# Altium PCB PLC1.PcbDoc (part 4 of 4)
Units mm, origin at the board's own origin, x right, y up, seen from the top; angles counter-clockwise.
Board outline 175 x 81 mm, 2 copper layers (Top Layer, Bottom Layer), stack 1.471 mm thick; 347 components, 299 nets, 1265 pads, 687 vias.
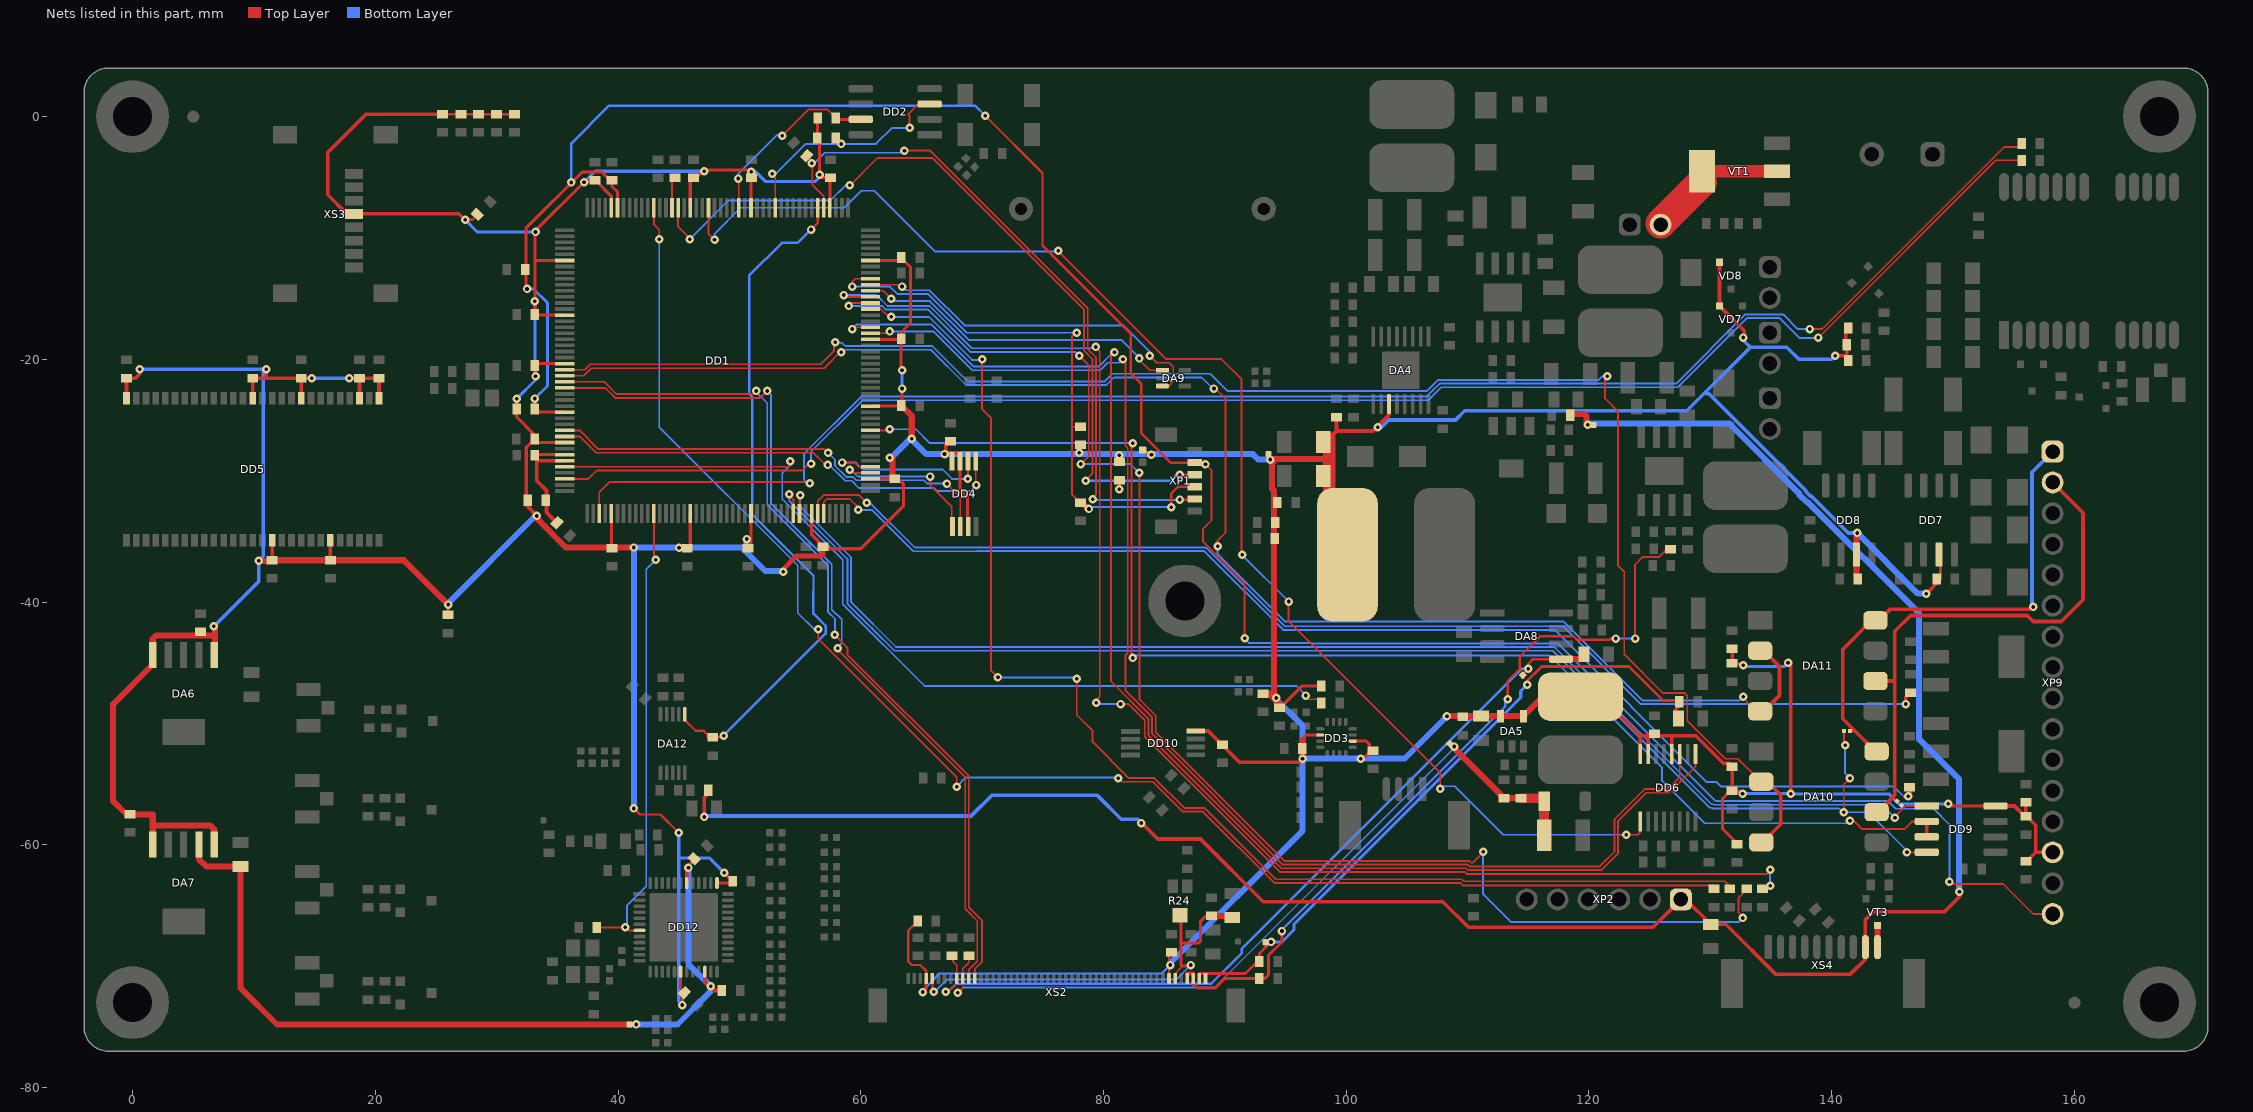
[diagram p4: the nets of this part, all layers, seen from the top]

## Via types
v1: diameter 0.7, hole 0.3, Top Layer to Bottom Layer, tented both sides, 670 vias
v2: diameter 1.2, hole 0.6, Top Layer to Bottom Layer, tented both sides, 16 vias
v3: diameter 0.7, hole 0.3, Top Layer to Bottom Layer, tented top, 1 vias

## Nets (pads, with @x,y where several pads share a name; then routed paths per layer and width w, separated by ;. In a path a pad name is that pad's centre, name@x,y a point inside that pad or via, vN(x,y) a via of type N, cw(c..) or ccw(c..) an arc to the next point about the centre after c; other vN are vias at no path point) (continued)
NetVT1_2: VT1.2 VT1.4 XP8.2 | length 12
  Top Layer w1: XP8.2@125.9,-8.9 XP8.2@125.9,-8.8 ; VT1.4@129.3,-5.4 VT1.4@129.3,-4.5 VT1.2@135.5,-4.5
  Top Layer w2.5: XP8.2@125.9,-8.8 VT1.4@129.3,-5.4
NetVT3_3: VT3.3 XS4.10 | length 1.8
  Top Layer w0.5: XS4.10@143.775,-68.425 VT3.3@143.775,-66.65
NRST: C82.1 C86.1 DD1.31 DD1.171 R40.1 XP1.5 XP9.16 | length 201.5
  Top Layer w0.15: v1(88.4,-28.65) 88.898,-29.148 88.898,-33.252 88.2,-33.95 88.2,-35.017 91.625,-38.442 v1(91.625,-42.975) ; v1(149.7,-63.05) 149.875,-63.225 154.125,-63.225 156.6,-65.7 XP9.16@158.2,-65.7
  Top Layer w0.2: v1(70.25,0.075) 74.975,-4.65 74.975,-10.625 82.25,-17.9 82.25,-21.15 83.1,-22 83.1,-26.075 85.525,-28.5 XP1.5@87.5,-28.5
  Top Layer w0.254: v1@32.25,-14.2 v1(32.5,-14.2) ; v1@32.4,-14.1 32.4,-9.2 37.025,-4.575 38.675,-4.575 39.35,-5.25 C86.1@39.5,-5.25 39.5,-5.75 39.95,-6.2 DD1.171@39.95,-7.5 ; R40.1@33.15,-24.1 v1(33.15,-23.225) v1@33.15,-23.15 ; R40.1@33.2,-24.35 DD1.31@35.6,-24.35
  Bottom Layer w0.15: v1(91.625,-42.975) 92.025,-43.375 97.127,-43.375 97.15,-43.398 117.426,-43.398 119.363,-45.334 123.925,-49.897 123.925,-49.9 130.4,-56.375 132.225,-56.375 132.227,-56.377 144.045,-56.377 144.056,-56.367 144.244,-56.367 144.255,-56.377 144.627,-56.377 145.275,-57.025 148.4,-57.025 149.7,-58.325 v1(149.7,-63.05)
  Bottom Layer w0.2: v1(36.15,-5.425) 36.15,-2.2 39.257,0.907 53.289,0.907 53.291,0.91 56.311,0.91 56.314,0.907 69.418,0.907 v1(70.25,0.075)
  Bottom Layer w0.254: v1(32.5,-14.2) 33.04,-14.2 34.187,-15.347 34.187,-22.188 v1(33.15,-23.225)
OTG_FS_DM: DA9.1 DD1.122 | length 27
  Top Layer w0.15: DD1.122@60.8,-14.35 61.85,-14.35 v1(62.5,-15) ; v1@82.825,-19.925 v1@82.826,-19.926 ; v1(82.929,-19.926) v1@82.826,-19.926 ; DA9.1@84.85,-20.9 83.8,-20.9 v1@82.826,-19.926
  Bottom Layer w0.15: v1(62.5,-15) 62.7,-15.2 65.7,-15.2 68.9,-18.4 79.113,-18.4 79.115,-18.399 81.449,-18.399 82.929,-19.879 v1(82.929,-19.926)
OTG_FS_DP: DA9.3 DD1.123 | length 30.2
  Top Layer w0.15: DD1.123@60.8,-13.85 63.05,-13.85 63.2,-14 v1(63.4,-14) ; v1(83.8,-19.7) 83.825,-19.7 84.402,-20.277 85.422,-20.277 85.75,-20.605 85.75,-21.818 85.368,-22.2 DA9.3@84.85,-22.2
  Bottom Layer w0.15: v1(63.4,-14) 63.7,-14.3 65.655,-14.3 68.555,-17.2 81.625,-17.2 83.8,-19.375 v1(83.8,-19.7)
OUT1: DD1.83 R59.1 | length 99.1
  Top Layer w0.15: DD1.83@56.45,-32.7 56.45,-31.65 56.467,-31.65 56.939,-31.177 59.856,-31.177 60.478,-31.8 v1(60.5,-31.8)
  Top Layer w0.3: v1(146.1,-48.4) 146.1,-47.85 R59.1@146.5,-47.45
  Bottom Layer w0.15: v1(60.5,-31.8) 60.744,-31.8 64.444,-35.5 69.456,-35.5 69.461,-35.495 88.429,-35.495 94.924,-41.991 117.871,-41.991 124.28,-48.4 v1(146.1,-48.4)
OUT2: DD1.84 R60.1 | length 102.4
  Top Layer w0.15: DD1.84@56.95,-32.7 56.95,-31.752 57.2,-31.502 59.102,-31.502 59.8,-32.2 v1(59.8,-32.4) ; v1@146.15,-56.15 146.05,-56.15 146,-56.1 146,-56 v1(146.3,-56)
  Top Layer w0.3: v1@146.15,-56.15 146.5,-55.8 R60.1@146.5,-55.25
  Bottom Layer w0.15: v1(59.8,-32.4) 60.917,-32.4 64.319,-35.802 69.581,-35.802 69.586,-35.798 70.064,-35.798 70.069,-35.802 70.27,-35.802 70.275,-35.798 88.303,-35.798 94.799,-42.293 117.177,-42.293 129.708,-54.825 130.525,-54.825 130.9,-55.2 132.408,-55.2 132.411,-55.198 145.098,-55.198 146,-56.1 146,-56 v1(146.3,-56)
PEN_IRQ: DD1.40 R20.2 | length 76.3
  Top Layer w0.15: DD1.40@35.6,-28.85 35.602,-28.852 54.048,-28.852 54.4,-28.5 54.3,-28.4 v1(54.2,-28.4) ; v1(96.675,-47.7) 96.675,-47.775 96.9,-48 R20.2@97.95,-48
  Bottom Layer w0.15: v1(54.2,-28.4) 54.3,-28.4 54.4,-28.5 53.523,-29.377 53.523,-31.501 58.519,-36.498 58.519,-40.172 65.247,-46.9 95.9,-46.9 96.7,-47.7 v1(96.675,-47.7)
PPS_GPS: DD1.162 R71.1 | length 2.5
  Top Layer w0.15: DD1.162@44.45,-7.5 44.45,-5.2 R71.1@44.6,-5.05
ROW1: DD1.165 R61.2 | length 124.6
  Top Layer w0.15: DD1.165@42.95,-7.5 42.95,-8.875 43.4,-9.325 43.4,-10 v1(43.4,-10.1) ; v1(56.5,-42.25) 56.5,-43.025 67.9,-54.425 v1(67.9,-55.2) ; v1(81.2,-54.5) 81.5,-54.8 84.072,-54.8 86.53,-57.257 88.185,-57.257 94.065,-63.137 109.379,-63.137 109.592,-63.35 130.25,-63.35 R61.2@130.275,-63.375
  Bottom Layer w0.15: v1(43.4,-10.1) 43.4,-25.583 54.8,-36.983 54.8,-40.895 56.155,-42.25 v1(56.5,-42.25) ; v1(67.9,-55.2) 68.657,-54.443 81.143,-54.443 v1(81.2,-54.5)
ROW2: DD1.119 R62.2 | length 107.9
  Top Layer w0.15: DD1.119@60.8,-15.85 61.65,-15.85 62.3,-16.5 v1(62.5,-16.5) ; v1(70,-20) 70,-24.1 70.725,-24.825 70.725,-45.625 v1@71.4,-46.3 ; v1(77.8,-46.3) 77.8,-49.3 79.1,-50.6 79.1,-51.517 82.081,-54.498 84.198,-54.498 86.655,-56.955 88.31,-56.955 94.19,-62.835 109.504,-62.835 109.669,-63 131.2,-63 R62.2@131.575,-63.375
  Bottom Layer w0.15: v1(62.5,-16.5) 65.621,-16.5 69.171,-20.05 70.15,-20.05 70.2,-20 v1(70,-20) ; v1(71.3,-46.2) 77.7,-46.2 v1(77.8,-46.3)
ROW3: DD1.120 R63.2 | length 119.6
  Top Layer w0.15: v1(59,-15.6) 59.25,-15.35 DD1.120@60.8,-15.35 ; v1(78,-19.7) 78.783,-20.483 78.783,-27.967 v1(78.125,-28.625) ; v1(82.95,-29.35) 82.977,-29.377 82.977,-48.022 84.3,-49.345 84.3,-50.717 94.906,-61.323 110.13,-61.323 110.283,-61.475 110.425,-61.475 v1@111.25,-60.65 ; v1@132.575,-66.025 v1(132.675,-66.025) 132.675,-65.925 132.323,-65.573 132.323,-64.352 R63.2@132.975,-63.7
  Bottom Layer w0.15: v1(59,-15.6) 61.772,-15.6 62.075,-15.902 65.547,-15.902 69.027,-19.382 77.682,-19.382 v1@77.9,-19.6 ; v1(78.125,-28.625) 82.225,-28.625 v1(82.95,-29.35) ; v1(111.275,-60.575) 111.275,-64.053 113.57,-66.348 132.352,-66.348 v1(132.675,-66.025)
ROW4: DD1.121 R64.2 | length 119.3
  Top Layer w0.15: v1@58.7,-14.5 58.7,-14.6 v1(58.6,-14.7) 58.75,-14.85 DD1.121@60.8,-14.85 ; v1@79.305,-48.195 79.69,-47.81 79.69,-19.34 79.35,-19 79.349,-18.999 79.349,-18.981 v1(79.354,-18.976) ; v1(81.4,-48.4) 82.072,-48.4 83.393,-49.72 83.393,-51.093 94.53,-62.23 109.754,-62.23 109.92,-62.395 134.67,-62.395 134.925,-62.14 v1(134.925,-62.05) ; R64.2@134.275,-63.375 v1@135.1,-63.375
  Bottom Layer w0.15: v1(58.6,-14.7) 61.3,-14.7 62.2,-15.6 65.672,-15.6 69.152,-19.08 v1@79.4,-19.08 ; v1@79.2,-48.4 v1(81.4,-48.4) ; v1(134.925,-63.375) v1(134.925,-62.05)
  other v1: 79.4,-48.3
RS232_O\N\: DD1.156 DD6.1 | length 114.8
  Top Layer w0.15: DD1.156@47.45,-7.5 47.45,-9.65 v1(47.95,-10.15) ; v1(76.275,-11.05) 76.275,-11.075 76.267,-11.083 85.158,-19.975 89.722,-19.975 91.377,-21.63 91.377,-36.196 91.474,-36.1 v1(91.425,-36.1) v1@91.425,-36.225 ; v1(95.25,-39.95) 95.25,-41.567 107.75,-54.067 v1(107.75,-55.375) ; v1(123.075,-59.175) 124.025,-59.175 124.225,-58.975 DD6.1@124.225,-58.075
  Bottom Layer w0.15: v1(47.95,-10.15) 47.95,-9.65 50.088,-7.512 58.632,-7.512 60.042,-6.102 61.102,-6.102 66.1,-11.1 v1@76.275,-11.1 ; v1(91.425,-36.1) 91.425,-36.125 v1(95.25,-39.95) ; v1(107.75,-55.375) 107.95,-55.175 108.928,-55.175 112.928,-59.175 v1(123.075,-59.175)
RS485_CONT: DD1.99 DD9.2 DD9.3 | length 113.7
  Top Layer w0.15: DD1.99@60.8,-25.85 v1@62.4,-25.85 ; v1@82.3,-44.4 82.3,-27 v1(82.4,-26.9) ; v1(141.5,-58) v1@141.8,-58 ; v1@141.706,-58 v1@141.8,-58 ; DD9.2@147.825,-58.07 146.63,-58.07 145.998,-58.702 142.502,-58.702 v1@141.8,-58
  Top Layer w0.3: DD9.3@147.825,-59.34 DD9.2@147.825,-58.07
  Bottom Layer w0.15: v1(62.4,-25.75) 64.55,-25.75 65.7,-26.9 82.3,-26.9 82.3,-27 v1(82.4,-26.9) ; v1(82.4,-44.6) 82.4,-44.4 99.808,-44.4 99.811,-44.398 116.77,-44.398 126.023,-53.65 126.023,-54.723 129.523,-58.223 141.277,-58.223 v1(141.5,-58)
RS-485A/232R: DA10.6 DA11.6 XP7.1 XP9.2 | length 45.3
  Top Layer w0.152: 145,-56.1 145.1,-56.1 XP7.1@145.393,-56.393
  Top Layer w0.3: DA11.6@143.6,-46.5 145.2,-46.5 ; DA10.6@143.7,-57.1 144,-57.1 145,-56.1 145.2,-55.9 145.2,-46.5 ; XP9.2@158.2,-30.14 160.7,-32.64 160.7,-39.8 158.9,-41.6 156.6,-41.6 156.1,-41.1 146.5,-41.1 145.2,-42.4 145.2,-46.5
RS-485B/232T: DA10.8 DA11.8 XP6.1 XP9.1 | length 40.7
  Top Layer w0.3: XP6.1@141.5,-50.6 141.9,-50.6 ; DA10.8@143.7,-52.1 143.4,-52.1 141.9,-50.6 ; v1(156.6,-40.4) 156.5,-40.4 156.298,-40.602 144.798,-40.602 143.9,-41.5 DA11.8@143.6,-41.5 143.3,-41.5 140.9,-43.9 140.9,-49.6 141.9,-50.6
  Bottom Layer w0.3: v1(156.6,-40.4) 156.5,-40.4 156.5,-29.3 XP9.1@158.2,-27.6
RTC_CLOCKOUT: DD1.151 DD2.7 R32.1 | length 16
  Top Layer w0.15: v1(49.9,-5.1) 49.9,-5.4 49.95,-5.45 DD1.151@49.95,-7.5 ; v1(53.525,-1.575) 53.275,-1.575 53.4,-1.7 55.677,0.577 57.273,0.577 R32.1@57.95,-0.1
  Top Layer w0.25: R32.1@58.075,-0.225 DD2.7@60,-0.225
  Top Layer w0.254: R32.1@58.025,-0.175 R32.1@58.075,-0.225
  Bottom Layer w0.15: v1(49.9,-5.1) 49.9,-4.7 53.1,-1.5 53.45,-1.5 v1(53.525,-1.575)
RTC_INT: DD1.145 DD2.3 R31.1 | length 20.2
  Top Layer w0.15: v1(52.7,-4.7) 52.7,-4.8 52.95,-5.05 DD1.145@52.95,-7.5 ; R31.1@57.95,-1.5 57.95,-2.05 58.2,-2.3 58.275,-2.225 58.3,-2.25 v1(58.4,-2.25) ; v1(64.025,-0.925) 64.025,0.075 63.9,0.2 64.74,1.04 DD2.3@65.675,1.04
  Bottom Layer w0.15: v1(52.7,-4.7) 53,-4.7 55.45,-2.25 v1(58.4,-2.25) 61.25,-2.25 62.575,-0.925 63.85,-0.925 v1@63.85,-0.75
SCAN1_DISP: DD1.26 XS2.39 | length 72.7
  Top Layer w0.15: DD1.26@35.6,-21.85 38.855,-21.85 39.855,-22.85 51.15,-22.85 v1(51.4,-22.6) ; v1(57.85,-42.7) 58.9,-43.75 58.9,-44.32 68.902,-54.322 68.902,-65.151 70,-66.249 70,-69.628 69.4,-70.228 XS2.39@69.4,-71
  Bottom Layer w0.15: v1@51.35,-22.65 52.293,-23.593 52.293,-31.982 57.31,-36.999 57.31,-40.822 57.875,-41.387 57.875,-42.675 v1(57.85,-42.7)
SCAN2_DISP: DD1.27 XS2.40 | length 73.4
  Top Layer w0.15: DD1.27@35.6,-22.35 36.578,-22.35 38.928,-22.35 39.755,-23.177 51.723,-23.177 v1(52.3,-22.6) ; v1(58.103,-43.802) 58.3,-44 58.3,-44.147 68.6,-54.447 68.6,-65.277 69.6,-66.277 69.6,-69.6 68.9,-70.3 XS2.40@68.9,-71
  Bottom Layer w0.15: v1(52.3,-22.6) 52.45,-22.75 52.595,-22.895 52.595,-31.857 57.612,-36.874 57.612,-40.612 58.427,-41.427 58.427,-43.396 58.224,-43.6 58.251,-43.627 58.103,-43.775 v1(58.103,-43.802)
SHTDOWN_AMP: DA12.1 DD1.138 R108.1 | length 57.1
  Top Layer w0.2: DA12.1@45.5,-49.25 45.5,-49.7 46.397,-50.597 47.049,-50.597 47.402,-50.95 47.402,-51.15 R108.1@47.8,-51.15 48.55,-51.15 v1(48.7,-51) ; v1(55.9,-9.3) 56.45,-8.75 DD1.138@56.45,-7.5
  Bottom Layer w0.2: v1(48.7,-51) 48.702,-51 57.102,-42.6 57.102,-41.952 56.1,-40.95 56.1,-39.105 56.102,-39.102 56.102,-37.823 51.052,-32.773 51.052,-23.107 50.798,-22.852 50.798,-13.102 53.5,-10.4 54.8,-10.4 v1(55.9,-9.3)
SPI2_MISO: DD1.34 DD4.2 | length 37.5
  Top Layer w0.15: DD1.34@35.6,-25.85 36.833,-25.85 38.379,-27.395 56.995,-27.395 v1(57.3,-27.7) ; v1(67.1,-30.25) 68.2,-31.35 DD4.2@68.2,-33.675
  Bottom Layer w0.15: v1(57.3,-27.7) 57.875,-28.275 57.875,-28.748 58.828,-29.7 59.372,-29.7 59.626,-29.954 65.189,-29.954 65.464,-30.229 v1@67.1,-30.229
SPI2_MOSI: DD1.35 DD4.5 | length 37.3
  Top Layer w0.15: DD1.35@35.6,-26.35 36.85,-26.35 38.2,-27.7 41.045,-27.7 41.047,-27.698 56.098,-27.698 57.101,-28.701 v1(57.278,-28.701) ; v1@69.475,-30.275 DD4.5@69.475,-28.95
  Bottom Layer w0.15: v1(57.278,-28.701) 57.399,-28.701 57.4,-28.7 58.705,-30.005 59.249,-30.005 59.845,-30.6 66.058,-30.6 66.311,-30.852 69.027,-30.852 v1(69.528,-30.351)
SPI2_NSS: DD1.92 DD4.1 | length 13.7
  Top Layer w0.15: v1@59.1,-29 v1(59.1,-29.1) 59.35,-29.35 DD1.92@60.8,-29.35 ; v1(65.703,-29.651) 65.703,-30.322 65.7,-30.325 67.5,-32.125 DD4.1@67.5,-33.775
  Bottom Layer w0.15: v1(59.1,-29.1) 59.1,-29 59.751,-29.651 v1(65.703,-29.651)
SPI2_SCK: DD1.93 DD4.6 | length 14.9
  Top Layer w0.15: v1(58.453,-28.501) 59.501,-28.501 59.85,-28.85 DD1.93@60.8,-28.85 ; v1@68.75,-29.85 68.825,-29.775 DD4.6@68.825,-28.4
  Bottom Layer w0.15: v1(58.453,-28.501) 59.601,-28.501 60.175,-29.075 65.463,-29.075 65.464,-29.074 66.741,-29.074 67.517,-29.85 v1(68.8,-29.85)
SW1_RS: DA10.2 DA10.4 DD1.24 | length 137.7
  Top Layer w0.15: DD1.24@35.6,-20.85 37.25,-20.85 37.702,-20.398 56.702,-20.398 57.8,-19.3 57.8,-18.5 v1(57.9,-18.6) ; v1(121.5,-21.4) 121.5,-21.3 121.4,-21.2 121.4,-21.4 121.323,-21.477 121.323,-23.223 122.4,-24.3 122.4,-37 122.9,-37.5 122.9,-44.3 126.098,-47.498 127.898,-47.498 128.1,-47.7 128.1,-49.775 131.225,-52.9 132.272,-52.9 133.972,-54.6 DA10.2@134.2,-54.6
  Top Layer w0.3: DA10.4@134.2,-59.6 134.5,-59.6 135.8,-58.3 135.8,-55.9 134.9,-55 134.6,-55 DA10.2@134.2,-54.6
  Bottom Layer w0.15: v1@57.8,-18.5 v1(57.9,-18.6) ; v1@58.142,-18.623 58.439,-18.623 58.714,-18.898 65.881,-18.898 68.793,-21.81 80.107,-21.81 80.728,-21.189 88.789,-21.189 90.2,-22.6 106.672,-22.6 107.577,-21.695 120.805,-21.695 121.1,-21.4 121.4,-21.4 121.4,-21.2 v1@121.5,-21.3
SW2_RS: DA11.2 DA11.4 DD1.25 | length 127.5
  Top Layer w0.15: DD1.25@35.6,-21.35 37.178,-21.35 37.803,-20.725 56.975,-20.725 v1@58.35,-19.35 ; v1(89.1,-22.4) 89.2,-22.4 90.055,-23.255 90.055,-34.262 89.4,-34.917 v1(89.4,-35.4) ; v1(132.7,-47.8) 132.7,-47.9 133.8,-49 DA11.4@134.1,-49
  Top Layer w0.3: DA11.4@134.1,-49 134.4,-49 135.7,-47.7 135.7,-45.3 134.4,-44 DA11.2@134.1,-44
  Bottom Layer w0.15: v1@58.5,-19.4 58.7,-19.2 65.755,-19.2 68.667,-22.112 80.233,-22.112 80.853,-21.492 88.092,-21.492 89,-22.4 v1(89.1,-22.4) ; v1(89.4,-35.4) 89.4,-36.039 94.963,-41.602 117.91,-41.602 124.406,-48.098 132.402,-48.098 v1(132.7,-47.8)
  other v1: 58.4,-19.4
SWCLK: DD1.137 R38.2 XP1.2 | length 58.8
  Top Layer w0.15: v1(55.95,-3.85) 56,-3.9 56,-5.6 56.95,-6.55 DD1.137@56.95,-7.5 ; v1(63.6,-2.8) 65.728,-2.8 78.7,-15.772 78.7,-19.156 79.388,-19.844 79.388,-31.117 v1@79.005,-31.5
  Top Layer w0.2: R38.2@55.455,-3.155 55.95,-3.65 v1(55.95,-3.85) ; v1(86.275,-31.55) 87.45,-31.55 XP1.2@87.5,-31.5 XP1.2@88.073,-31.5
  Bottom Layer w0.15: v1(55.95,-3.85) 56.15,-3.85 57.023,-2.977 63.577,-2.977 v1@63.7,-3.1 ; v1(79.1,-31.525) 79.1,-31.575 v1@86.275,-31.575
SWDIO: C80.1 DD1.124 R36.1 XP1.3 | length 48.2
  Top Layer w0.15: v1(59.3,-14) 59.3,-13.6 59.55,-13.35 DD1.124@60.8,-13.35 ; 77.45,-25.55 R36.1@78.1,-25.55 ; v1(77.8,-17.8) 77.7,-17.8 77.4,-18.1 77.4,-31.1 C80.1@78.1,-31.8 ; v1@78.75,-32.325 v1(78.8,-32.325)
  Top Layer w0.2: v1(85.575,-32.175) 85.575,-31.05 86.125,-30.5 XP1.3@87.5,-30.5
  Top Layer w0.5: C80.1@78.1,-31.8 78.225,-31.8 v1@78.75,-32.325
  Bottom Layer w0.15: v1(59.3,-14) 62.4,-14 63.002,-14.602 65.53,-14.602 68.728,-17.8 v1(77.8,-17.8) ; v1@78.8,-32.175 v1(85.575,-32.175)
SWO: DD1.161 R35.1 XP1.4 | length 69.1
  Top Layer w0.15: DD1.161@44.95,-7.5 44.95,-9.075 45.9,-10.025 v1(45.9,-10.1) ; v1(59.078,-5.65) 58.9,-5.65 59.013,-5.763 61.375,-3.4 65.9,-3.4 78.398,-15.898 78.398,-19.281 79.086,-19.969 79.086,-29.414 v1@78.5,-30
  Top Layer w0.2: v1(81.3,-30.7) R35.1@81.3,-29.95 ; v1(86.275,-29.5) XP1.4@87.5,-29.5
  Bottom Layer w0.15: v1(45.9,-10.1) 49.093,-6.907 57.493,-6.907 58.75,-5.65 v1(59.078,-5.65)
  Bottom Layer w0.2: v1(78.525,-30) 81.3,-30 ; v1(81.3,-30.7) 81.3,-30 ; v1@86.25,-29.525 85.95,-29.525 85.475,-30 81.3,-30
TW8819_RESET: DD1.56 DD12.7 R110.1 | length 38.6
  Top Layer w0.15: R110.1@38.25,-66.8 v1(40.6,-66.8) 40.85,-67.05 DD12.7@41.775,-67.05 ; DD1.56@42.95,-32.7 42.95,-36.25 v1@43,-36.3
  Bottom Layer w0.15: v1(40.6,-66.8) 40.7,-66.8 40.729,-66.771 40.729,-65.764 40.725,-65.76 40.725,-65.013 42.325,-63.413 42.325,-37.275 v1(43.1,-36.5)
USART2_RX: DD1.47 R70.1 | length 134.3
  Top Layer w0.15: DD1.47@38.45,-32.7 38.45,-30.95 39.3,-30.1 55.7,-30.1 v1@55.9,-30.3 ; v1@55.8,-30.2 v1@55.9,-30.3 ; v1@55.9,-30.4 v1@55.9,-30.3 ; v1(138.2,-17.5) 139.2,-17.5 154.2,-2.5 R70.1@155.35,-2.5
  Bottom Layer w0.15: v1@55.9,-30.4 55.9,-30.3 55.8,-30.2 55.6,-30.2 55.323,-29.923 55.323,-27.777 60.032,-23.068 106.632,-23.068 107.1,-22.6 107.702,-21.998 127.175,-21.998 132.875,-16.298 135.998,-16.298 137.2,-17.5 v1(138.2,-17.5)
  other v1: 55.8,-30.2
USART2_TX: DD1.42 R68.1 | length 132.7
  Top Layer w0.15: DD1.42@35.6,-29.85 37.55,-29.85 38.245,-29.155 55.173,-29.155 55.728,-28.6 v1(55.9,-28.6) ; v1(138.9,-18.2) 138.928,-18.2 153.528,-3.6 R68.1@155.65,-3.6
  Bottom Layer w0.15: v1(55.9,-28.6) 55.9,-27.628 60.157,-23.37 106.757,-23.37 107.225,-22.902 107.828,-22.3 127.3,-22.3 133,-16.6 135.7,-16.6 137.35,-18.25 v1@138.75,-18.25
USART3_RX: DD1.80 DD9.1 XP7.2 | length 109.2
  Top Layer w0.15: DD1.80@54.95,-32.7 54.95,-31.25 v1(55,-31.2) ; v1(145.207,-57.778) 145.207,-57.693 146.1,-56.8 DD9.1@147.825,-56.8 148.1,-56.8 DD9.1@148.3,-56.6 ; XP7.2@145.746,-56.746 145.9,-56.9
  Bottom Layer w0.15: v1(55,-31.2) 55,-32.123 59.2,-36.323 59.2,-39.997 62.903,-43.7 117.144,-43.7 130.092,-56.648 130.245,-56.648 130.297,-56.7 144.15,-56.7 145,-57.55 v1@145.25,-57.55
USART3_TX: DD1.79 DD9.4 XP6.2 | length 117.5
  Top Layer w0.15: v1(54.1,-31.1) 54.1,-31.2 54.45,-31.55 DD1.79@54.45,-32.7 ; v1(140.988,-57.307) 140.988,-55.037 140.975,-55.025 v1(141.5,-54.5) ; XP6.2@141,-50.6 141,-51.7 v1(141.1,-51.8) ; v1(146.2,-60.6) 146.2,-60.5 146.31,-60.61 DD9.4@147.825,-60.61
  Bottom Layer w0.15: v1(54.1,-31.1) 54.1,-31.651 58.898,-36.449 58.898,-40.123 60.916,-42.141 62.777,-44.002 117.019,-44.002 129.967,-56.95 130.12,-56.95 130.172,-57.002 140.619,-57.002 140.924,-57.307 v1(140.988,-57.307) 143.007,-57.307 146.2,-60.5 v1(146.2,-60.6) ; v1(141.1,-51.8) 141.1,-54.1 v1(141.5,-54.5)
USART6_RX: DD1.116 DD6.9 | length 114
  Top Layer w0.15: v1(59.3,-17.5) 59.45,-17.35 DD1.116@60.8,-17.35 ; v1@80.9,-19.4 80.614,-19.686 80.614,-46.514 83.695,-49.595 83.695,-50.968 94.655,-61.927 109.88,-61.927 110.032,-62.08 121.02,-62.08 122.402,-60.698 122.402,-58.025 124.725,-55.702 126.625,-55.702 128.775,-53.553 DD6.9@128.775,-52.525
  Bottom Layer w0.15: v1(59.3,-17.5) 59.677,-17.123 65.816,-17.123 69.294,-20.6 79.6,-20.6 80.6,-19.6 80.7,-19.6 v1@80.9,-19.4
  other v1: 80.9,-19.4
USART6_TX: DD1.115 DD6.11 | length 109.2
  Top Layer w0.15: DD1.115@60.8,-17.85 62.25,-17.85 v1(62.4,-17.7) ; v1@81.7,-20 81.823,-20.123 81.823,-27.139 81.998,-27.314 81.998,-44.186 81.823,-44.361 81.823,-47.295 83.998,-49.47 83.998,-50.842 94.78,-61.625 110.005,-61.625 110.157,-61.777 120.895,-61.777 122.1,-60.572 122.1,-57.9 124.6,-55.4 126.5,-55.4 127.475,-54.425 DD6.11@127.475,-52.525
  Bottom Layer w0.15: v1(62.4,-17.7) 65.966,-17.7 69.168,-20.902 79.725,-20.902 80.345,-20.282 81.318,-20.282 v1@81.7,-19.9 ; v1(81.6,-20) v1@81.6,-19.917
V_COM: C75.1 C76.2 R24.2 XS2.6 XS2.46 | length 35.8
  Top Layer w0.15: XS2.46@65.9,-71 65.9,-71.9 66.1,-72.1 v1(66,-72.1) ; XS2.6@85.9,-70.9 85.9,-70.6 86.5,-70
  Top Layer w0.2: R24.2@86.4,-65.8 R24.2@86.5,-65.7 ; C76.2@90.45,-65.85 C76.2@90.5,-65.8
  Top Layer w0.25: R24.2@86.4,-65.8 86.4,-68.1 ; v1(87.2,-69.9) 87.1,-70 86.5,-70 86.4,-69.9 86.4,-68.1 ; C75.1@88.9,-65.85 88.45,-65.85 88,-66.3 88,-67.9 87.8,-68.1 86.4,-68.1
  Top Layer w0.5: C75.1@88.9,-65.85 C76.2@90.45,-65.85
  Bottom Layer w0.15: v1(66,-72.1) 66.1,-72.1 67.1,-71.1 86,-71.1 87.2,-69.9 v1@87.1,-70
VCC: C6.2 C7.1 C8.2 C9.1 C10.2 C11.2 C12.2 C17.2 C18.1 C19.1 C20.2 C21.1 C22.2 C23.2 C44.2 C46.2 C47.2 C48.2 C50.2 C51.2 C52.2 C65.2 C72.2 C73.2 C79.2 C84.1 C89.1 C90.1 C91.1 C92.2 C93.1 C94.1 C95.2 C96.1 C97.2 C98.1 C101.1 C102.1 C104.1 C106.1 C112.1 C114.1 C121.1 C124.1 DA4.11 DA5.4 DA5.5 DA6.1 DA6.5 DA7.1 DA7.5 DD1.6 DD1.15 DD1.23 DD1.36 DD1.49 DD1.62 DD1.72 DD1.82 DD1.91 DD1.103 DD1.114 DD1.127 DD1.136 DD1.149 DD1.159 DD1.172 DD3.6 DD3.14 DD4.3 DD4.7 DD4.8 DD5.1 DD5.3 DD5.9 DD5.14 DD5.27 DD5.43 DD5.49 DD6.12 DD6.15 DD6.16 DD7.3 DD8.3 DD9.8 DD10.8 DD12.18 DD12.37 L4.1 L8.2 L11.2 L12.1 R10.2 R18.2 R28.1 R29.2 R30.2 R31.2 R32.2 R33.2 R34.1 R35.2 R36.2 R37.2 R40.2 R41.1 R42.1 R43.1 R44.1 R45.1 R51.1 R53.1 R54.1 R55.1 R56.1 R80.1 R83.2 TP4.1 VD7.2 VD8.2 XP9.14 XS2.7 XS2.47 XS3.4 | length 717.3
  Top Layer w0.2: R45.1@25.55,0.2 R44.1@27.05,0.2 R43.1@28.5,0.2 R42.1@30,0.2 R41.1@31.475,0.2 ; v1(27.4,-8.5) 28,-8.5 C89.1@28.395,-8.105 ; v1(41.3,-57) 41.8,-57.5 43.5,-57.5 v1(45,-59) ; R28.1@64.575,-66.4 63.902,-67.073 63.902,-69.475 63.927,-69.5 63.927,-69.627 64.2,-69.9 64.9,-69.9 65.4,-70.4 XS2.47@65.4,-71 ; R37.2@83.225,-27.475 83.6,-27.85 v1(83.95,-27.85) ; XS2.7@85.4,-71 85.398,-70.998 85.398,-69.052 C79.2@85.6,-68.85
  Top Layer w0.254: XS3.4@18.575,-8 26.9,-8 v1(27.4,-8.5) ; C65.2@26,-41.05 v1(26,-40.2) ; v1(31.65,-23.25) R40.2@31.65,-24.1 31.65,-24.75 33.15,-26.25 33.15,-26.55 32.45,-27.25 ; C7.1@33.15,-26.7 33.3,-26.85 DD1.36@35.6,-26.85 ; C17.2@33.15,-20.5 33.3,-20.35 DD1.23@35.6,-20.35 ; C6.2@33.15,-16.3 v1(33.15,-15.2) 33.15,-9.45 37.3,-5.3 C23.2@38.05,-5.3 ; v1(33.2,-21.4) C17.2@33.2,-20.55 ; C6.2@33.2,-16.35 DD1.15@35.6,-16.35 ; 33.2,-11.85 DD1.6@35.6,-11.85 ; v1@37.1,-5.3 v1(37.2,-5.4) ; C23.2@38.225,-5.325 39.45,-6.55 DD1.172@39.45,-7.5 ; C18.1@39.45,-35.5 DD1.49@39.45,-32.7 ; v1(45.025,-35.525) 44.825,-35.525 44.85,-35.5 C19.1@45.65,-35.5 ; DD12.18@45.15,-70.45 45.15,-71.85 C124.1@45.47,-72.17 45.3,-72.339 v1(45.3,-73.2) ; C19.1@45.8,-35.45 45.95,-35.3 DD1.62@45.95,-32.7 ; DD1.159@45.95,-7.5 45.95,-5.1 46,-5.05 46.45,-5.05 47.1,-4.4 50.8,-4.4 C22.2@50.8,-5 ; DD12.37@48.15,-63.15 49.3,-63.15 C121.1@49.45,-63 v1(48.75,-62.3) ; C9.1@50.95,-35.5 DD1.72@50.95,-32.7 ; DD1.149@50.95,-7.5 C22.2@50.95,-5.1 ; DD1.82@55.95,-32.7 55.95,-34.45 57.1,-35.6 59.999,-35.6 63.529,-32.069 63.529,-30.279 63.1,-29.85 C20.2@62.8,-29.85 DD1.91@60.8,-29.85 ; R32.2@56.45,-0.1 56.45,-1.5 56.6,-1.65 56.6,-5 C11.2@57.35,-5 ; DD1.136@57.45,-7.5 C11.2@57.45,-5.1 ; DD1.103@60.8,-23.85 C10.2@63.35,-23.85 ; DD1.114@60.8,-18.35 C84.1@63.3,-18.35 ; DD1.127@60.8,-11.85 63.1,-11.85 C21.1@63.35,-11.6 63.35,-11.65 64.1,-12.4 64.1,-17 63.35,-17.75 C84.1@63.35,-18.3 ; C10.2@63.35,-23.8 63.4,-23.75 v1(63.4,-22.4) ; v1(63.4,-20.9) 63.3,-20.8 C84.1@63.3,-18.35 ; v1@66.9,-27.9 v1@67,-28 ; C90.1@67,-26.93 67,-27.5 67.3,-27.8 67.4,-27.7 68.175,-27.7 68.175,-29.585 68.171,-29.589 68.171,-30.771 68.8,-31.4 DD4.3@68.8,-33.675 ; R29.2@94.687,-48.587 96.375,-46.9 R18.2@97.95,-46.9 ; 96.35,-51.3 96.7,-50.95 DD3.6@97.685,-50.95 DD3.6@97.875,-50.95 ; DD3.14@100.525,-51.45 DD3.14@100.715,-51.45 101.65,-51.45 101.9,-51.7 101.9,-52.4 101.4,-52.9 v1(101.2,-52.9) ; R55.1@131.8,-53.55 R53.1@131.8,-55.55 ; R56.1@131.8,-43.85 R54.1@131.8,-45.05 132.45,-45.05 132.7,-45.3 132.9,-45.3 132.8,-45.2 v1(132.7,-45.2) ; R80.1@132.238,-59.913 131,-58.675 131,-56.2 131.65,-55.55 R53.1@131.8,-55.55 ; v1@132.7,-55.825 132.425,-55.55 R53.1@131.8,-55.55 ; v1(136.4,-45) 136.625,-45.225 v1(136.625,-55.8) ; DD7.3@148.94,-36.075 148.95,-36.085 C101.1@148.95,-38.1 ; v1(149.6,-56.6) 149.8,-56.8 DD9.8@153.5,-56.8 ; C84.1@63.3,-18.35 C84.1@63.35,-18.3 ; C84.1@63.3,-18.35 C84.1@63.35,-18.3
  Top Layer w0.3: C97.2@-0.55,-21.6 C97.2@-0.5,-21.55 ; DD5.27@-0.5,-23.2 C97.2@-0.5,-21.55 ; v1(0.6,-20.8) 0.6,-21.2 0.25,-21.55 C97.2@-0.5,-21.55 ; v1@6.6,-41.9 v1(6.7,-42) ; DA6.1@6.74,-44.36 DA6.1@6.8,-44.3 ; 6.74,-42.74 6.8,-42.8 ; DD5.14@9.9,-23.2 C93.1@9.9,-21.55 11,-21.55 ; v1(11,-20.8) 11,-21.55 ; C95.2@11.5,-36.55 DD5.43@11.5,-34.9 ; DD5.9@13.9,-23.2 C91.1@13.9,-21.55 ; v1(14.75,-21.55) C91.1@13.9,-21.55 ; C92.2@16.3,-36.55 DD5.49@16.3,-35.075 ; v1(17.85,-21.55) C94.1@18.7,-21.55 ; XS3.4@18.25,-8.025 17.675,-8.025 16.075,-6.425 16.075,-2.95 19.225,0.2 R45.1@25.55,0.2 ; DD5.3@18.7,-23.2 C94.1@18.7,-21.55 ; DD5.1@20.3,-23.2 C96.1@20.3,-21.55 C94.1@18.7,-21.55 ; 32.45,-27.25 32.45,-32 v1(33.3,-32.9) ; v1(65.1,-72.125) 65.1,-72.1 65.348,-71.852 65.348,-71.83 65.4,-71.777 XS2.47@65.4,-71 ; DD10.8@87.6,-50.625 88.625,-50.625 91.2,-53.2 96.1,-53.2 v1(96.4,-52.9) ; C46.2@98.6,-26.5 99.2,-25.9 ; R10.2@99.2,-24.75 99.2,-25.9 ; L4.1@100.1,-38.5 100.2,-38.6 100.1,-38.1 L4.1@100.1,-36.1 ; L4.1@100.1,-32.6 L4.1@100.1,-31.8 ; DA4.11@103.525,-23.675 103.525,-24.575 102.2,-25.9 99.2,-25.9 ; L8.2@119.3,-47.8 121,-47.8 124.3,-51.1 124.4,-51 124.9,-51 ; DD6.16@124.225,-52.525 124.225,-51.175 ; DD6.15@124.875,-52.525 124.875,-51.025 124.9,-51 ; DD6.12@126.825,-52.525 126.825,-51 ; VD8.2@130.75,-12 VD7.2@130.75,-15.6 132.8,-17.65 132.8,-18.1 v1(132.7,-18.2) ; R55.1@131.8,-53.55 131.527,-53.277 131.069,-53.277 128.791,-51 126.825,-51 ; v1(140.3,-19.7) C114.1@141.25,-19.7 ; L12.1@141.05,-18.9 141.15,-18.9 L12.1@141.25,-18.8 C114.1@141.25,-19.7 ; L12.1@141.15,-18.7 R83.2@141.15,-17.4 ; C114.1@141.35,-20.1 141.25,-20 C114.1@141.25,-19.7 ; R83.2@141.5,-17.7 R83.2@141.5,-17.1 ; v1(147.8,-39.3) 148.65,-38.45 C101.1@148.65,-38.1 ; DD9.8@153.6,-56.8 155.05,-56.8 C104.1@155.9,-57.65 ; R51.1@156,-61.35 156.05,-61.35 156.8,-60.6 ; C112.1@156,-56.5 C104.1@156,-57.65 156.07,-57.65 156.8,-58.38 156.8,-60.6 ; XP9.14@158.2,-60.62 156.82,-60.62 156.8,-60.6 ; 11,-21.55 C91.1@13.9,-21.55 ; 124.9,-51 126.825,-51
  Top Layer w0.4: v1(53.6,-37.5) 53.6,-37.3 54.7,-36.2 56.8,-36.2 56.9,-36.1 C8.2@56.9,-35.6
  Top Layer w0.5: 1.65,-57.5 -0.5,-57.5 -1.6,-56.4 -1.6,-48.4 1.66,-45.14 DA6.5@1.66,-44.36 1.66,-43.04 1.96,-42.74 6.74,-42.74 ; DA7.5@1.66,-59.96 1.66,-58.4 ; 1.66,-57.51 1.66,-58.4 ; DA7.1@6.74,-59.96 6.74,-58.74 6.4,-58.4 1.66,-58.4 ; DA6.1@6.8,-44.3 6.8,-42.8 v1@6.8,-42 ; v1(10.4,-36.6) C95.2@11.45,-36.6 ; C95.2@11.5,-36.55 C92.2@16.3,-36.55 22.35,-36.55 v1(26,-40.2) ; v1(33.3,-32.9) 33.3,-33.1 35.7,-35.5 39.45,-35.5 v1(41.3,-35.5) ; v1(62.4,-28.1) 62.542,-28.1 62.6,-28.158 C20.2@62.6,-29.8 ; C10.2@63.35,-23.85 C10.2@63.35,-23.8 64.2,-24.65 v1(64.2,-26.525) ; R29.2@94.687,-48.587 93.65,-47.55 94.05,-47.55 94.05,-30.819 93.898,-30.667 93.898,-28.533 94.05,-28.381 94.05,-28.2 98.6,-28.2 ; v1(96.4,-52.9) 96.4,-51.35 ; v1(108.3,-49.4) C48.2@111.1,-49.4 DA5.5@112.7,-49.4 DA5.4@114.6,-49.4 L8.2@116.2,-47.8 ; C102.1@142.04,-37.79 DD8.3@142.04,-36.075 142.04,-34.36 v1(142.1,-34.3)
  Top Layer w1: L4.1@98.6,-31.6 98.6,-28.2 C46.2@98.6,-26.5 ; L4.1@100.1,-38.5 100.2,-38.6 L4.1@100.1,-38.1
  Bottom Layer w0.2: v1(65.1,-72.125) 65.1,-72 66.498,-70.602 84.798,-70.602 v1(85.5,-69.9)
  Bottom Layer w0.254: v1(26,-40.2) v1@26,-40.1 ; v1(27.4,-8.5) 28.4,-9.5 v1(33.2,-9.5) ; v1(31.65,-23.25) 33.2,-21.7 v1(33.2,-21.4) ; v1@33.15,-21.35 v1(33.15,-15.2) ; v1@33.2,-32.9 v1(33.3,-32.9) ; v1(37.2,-5.4) 38.1,-4.5 v1@46.9,-4.5 ; v1(45,-59) 45,-72.9 v1(45.3,-73.2) ; 45.1,-61.1 47.55,-61.1 v1(48.75,-62.3) ; v1@46.95,-4.55 v1@46.9,-4.5 ; v1(47.1,-4.5) v1@46.9,-4.5 ; 50.2,-35.5 v1@50.6,-35.1 ; v1(50.975,-4.55) 51.35,-4.55 52.129,-5.329 56.271,-5.329 v1@56.6,-5 ; v1(63.4,-22.4) v1(63.4,-20.9) ; v1(132.65,-55.775) 136.6,-55.775 v1(136.625,-55.8) 144.7,-55.8 145.529,-56.629 149.571,-56.629 v1(149.6,-56.6) ; v1@132.8,-45.2 132.9,-45.3 136.1,-45.3 v1(136.4,-45)
  Bottom Layer w0.3: v1(0.6,-20.8) v1(11,-20.8) 10.775,-21.025 10.775,-36.225 v1(10.4,-36.6) 10.4,-38.3 v1(6.7,-42) ; v1(14.75,-21.55) v1(17.85,-21.55) ; v1@102.5,-25.6 102.9,-25.6 103.502,-24.998 109.002,-24.998 109.763,-24.237 128.063,-24.237 133.3,-19 ; 129.653,-22.829 129.885,-22.829 137.848,-30.791 137.848,-30.87 138.23,-31.252 138.309,-31.252 141.356,-34.3 v1(142.1,-34.3) ; v1@132.8,-18.5 133.3,-19 ; 140,-20 137.3,-20 136.302,-19.002 134.138,-19.002 134.136,-19 133.3,-19
  Bottom Layer w0.5: v1@26,-40.1 v1@33.2,-32.9 ; v1(41.3,-57) 41.302,-56.998 41.302,-35.502 v1(41.3,-35.5) 50.2,-35.5 52.15,-37.45 v1@53.55,-37.45 ; v1@50.6,-35.1 v1(50.6,-34.8) ; v1(62.4,-28.1) 62.5,-28.1 64.075,-26.525 v1(64.2,-26.525) 64.2,-26.55 64.175,-26.575 65.4,-27.8 v1(66.9,-27.8) 92.3,-27.8 92.75,-28.25 v1(93.725,-28.25) ; v1(85.5,-69.9) 85.5,-69.736 96.4,-58.836 v1(96.4,-52.9) ; 94.5,-48.4 94.225,-48.125 v1(94.225,-47.9) 94.225,-48.025 96.4,-50.2 v1(96.4,-52.9) ; v1(108.3,-49.4) 104.8,-52.9 v1(101.2,-52.9) v1(96.4,-52.9) ; v1(142.1,-34.3) 147.1,-39.3 v1(147.8,-39.3)
  other v1: 81.3,-27.9 78,-27.7 102.6,-25.6 56.6,-4.8
VDD18: C56.2 C122.1 C123.1 DA7.2 DD12.22 DD12.42 TP6.1 | length 71.7
  Top Layer w0.15: C123.1@46.27,-61.23 C123.1@46.27,-61.13
  Top Layer w0.3: DD12.42@45.65,-63.15 45.65,-61.85 C123.1@46.27,-61.23 ; DD12.22@47.15,-70.45 47.15,-71.25 47.9,-72 C122.1@48.55,-72
  Top Layer w0.5: DA7.2@5.47,-59.96 5.47,-61.17 6.1,-61.8 C56.2@8.9,-61.8 8.9,-62.6 8.9,-71.8 11.9,-74.8 v1(41.5,-74.8)
  Bottom Layer w0.5: v1(41.5,-74.8) 44.9,-74.8 47.625,-72.075 v1(47.625,-71.65) 45.8,-69.825 v1(45.8,-61.9)
VDD_5V: C45.2 L5.1 L13.1 TP2.1 XP2.1 XS4.9 | length 179.1
  Top Layer w0.3: v1(47.1,-57.7) 47.1,-56.1 47.45,-55.75 L13.1@47.45,-55.5 ; v1(83.1,-58.2) 83.144,-58.2 84.464,-59.52 87.995,-59.52 93.155,-64.68 107.961,-64.68 110.056,-66.775 125.3,-66.775 XP2.1@127.575,-64.5 127.975,-64.5 C45.2@130.025,-66.55 131.26,-66.55 135.36,-70.65 141.553,-70.65 142.775,-69.428 XS4.9@142.775,-68.425 142.775,-66.15 143.4,-65.525 149.275,-65.525 150.525,-64.275 v1(150.525,-63.85)
  Top Layer w0.5: L5.1@118.75,-24.5 119.6,-24.5 119.8,-24.7 v1@119.8,-25.1 ; v1@119.8,-25.2 119.9,-25.3 v1(119.9,-25.4)
  Bottom Layer w0.3: v1(47.1,-57.7) 47.172,-57.627 69.081,-57.627 70.781,-55.927 79.496,-55.927 81.468,-57.9 82.8,-57.9 v1(83.1,-58.2)
  Bottom Layer w0.5: v1(119.9,-25.4) 119.9,-25.3 131.575,-25.3 137.295,-31.02 137.295,-31.099 138.001,-31.805 138.08,-31.805 147.2,-40.925 147.2,-51.3 150.5,-54.6 150.5,-63.475 v1@150.525,-63.5
VDDA: C66.2 C85.1 DD1.38 DD1.39 L11.1 | length 10.9
  Top Layer w0.254: C85.1@33.2,-27.85 DD1.38@35.6,-27.85 ; C85.1@33.3,-28.35 DD1.39@35.6,-28.35
  Top Layer w0.3: C85.1@33.3,-27.95 33.3,-30 34.1,-30.8 34.1,-32.6 34.4,-32.9 C66.2@34.97,-33.47
VGH: C55.2 C58.2 C61.2 R13.1 TP7.1 VD6.2 XS2.41 | length 64.9
  Top Layer w0.15: v1(68,-72.2) 68.4,-71.8 68.4,-70.2 68.9,-69.7 C58.2@68.9,-69.15
  Top Layer w0.5: v1(108.9,-51.9) 108.9,-52.025 113.025,-56.15 R13.1@114.4,-56.15
  Top Layer w0.8: R13.1@114.4,-56.15 VD6.2@116.3,-56.15 ; C61.2@116.3,-59.2 VD6.2@116.3,-56.4
  Bottom Layer w0.15: v1@68.055,-72.2 v1(68,-72.2) 68.445,-71.755 89.145,-71.755 108.8,-52.1 v1@109.1,-52.1
VGL: C62.2 C63.2 DA8.5 TP8.1 XS2.42 | length 68.3
  Top Layer w0.15: v1(67,-72.1) 67.1,-72.1 67.15,-72.15 67.9,-71.4 XS2.42@67.9,-71 67.9,-69.9 67.6,-69.6 C63.2@67.6,-69.15
  Top Layer w0.2: TP8.1@114.593,-46.043 114.593,-45.907 v1(115,-45.5) 115,-45.1 115.4,-44.7 DA8.5@117.7,-44.7
  Top Layer w0.5: DA8.5@117.7,-44.7 C62.2@119.2,-44.7
  Bottom Layer w0.2: v1(67,-72.1) 67.1,-72.1 67.15,-72.15 67.873,-71.427 88.878,-71.427 91.4,-68.905 91.4,-68.548 114.448,-45.5 v1@114.9,-45.5
VLED+: C43.2 C74.2 L6.1 TP3.1 XS2.1 XS2.2 | length 54.4
  Top Layer w0.25: XS2.2@87.9,-70.6 89.831,-70.6 89.833,-70.598 91.702,-70.598 92.6,-69.7 C74.2@92.85,-69.7 ; C74.2@92.85,-69.6 92.85,-68.95 93.6,-68.2 93.7,-68.2 93.8,-68.1 v1(93.8,-68) ; v1(114.9,-46.8) 114.9,-46.5 116.1,-45.3 123.3,-45.3 126.1,-48.1 127.45,-48.1 127.45,-48.55 127.1,-48.9 127.1,-49.6 C43.2@127.1,-49.8
  Bottom Layer w0.25: v1@93.7,-68.2 93.8,-68.1 v1(93.8,-68) 94.7,-68 95.7,-67 95.7,-66.534 114.377,-47.856 114.377,-47.323 v1(114.9,-46.8)
VLED-: R8.2 R9.1 XS2.3 XS2.4 | length 62.4
  Top Layer w0.15: v1(123.8,-43) 123.8,-36.9 124.423,-36.277 125.794,-36.277 126.422,-35.65 R8.2@126.7,-35.65
  Top Layer w0.2: v1(113.3,-48) 113.3,-46.525 114.3,-45.525 114.3,-44.5 116,-42.8 118.7,-42.8 119,-43.1 121.7,-43.1 121.8,-43 v1(122.2,-43)
  Top Layer w0.25: XS2.3@87.4,-71 87.4,-71.5 87.7,-71.8 89.2,-71.8 90,-71 92.65,-71 R9.1@92.75,-70.9 ; R9.1@92.85,-71 93.3,-71 93.6,-70.7 93.6,-69.1 94.7,-68 v1(94.7,-67.1)
  Top Layer w0.3: XS2.4@86.9,-70.6 XS2.3@87.4,-70.6
  Bottom Layer w0.2: v1@94.7,-67 113.1,-48.6 113.1,-48.1 113.2,-48 v1(113.3,-48) ; v1(122.2,-43) v1(123.8,-43)
  Bottom Layer w0.25: v1(94.7,-67.1) v1@94.7,-67
pads on no net: BQ1.3 BQ1.4 BQ2.0 BQ3.0 DA4.4 DA4.15 DA6.4 DA7.4 DA8.1 DA8.6 DA8.7 DA12.3 DD1.9 DD1.10 DD1.13 DD1.33 DD1.41 DD1.95 DD1.146 DD1.147 DD1.150 DD5.40 DD6.10 DD10.3 DD11.1 DD11.2 DD11.4 DD11.5 DD11.7 DD11.15 DD11.16 DD11.17 DD11.18 DD11.19 DD12.12 DD12.49 VD14.3 VD15.3 VD16.3 VD17.3 XP1.0 XS1.0 XS2.0 XS2.45 XS2.49 XS2.50 XS3.0 XS4.0
copper on no net:
  other v1: 57.175,-1
  other v3: 99.2,-51.2

## Polygon pours and split planes (outlines as drawn)
GND on Top Layer "GND_TOP" (solid, remove dead copper, pour order 11): 168.5,3.9 170.8,1.6 170.8,-74.8 168.7,-76.9 -1.8,-76.9 -3.9,-74.8 -3.9,-74.6 -3.9,2.1 -2.1,3.9
NetC37_2 on Top Layer "TOP_NETDA2-14" (solid, pour order 7): 110.2,-25.2 110.6,-25.6 110.6,-40.8 109.8,-41.6 105.2,-41.6 104.1,-40.5 104.1,-29 104.2,-28.9 104.2,-26 105,-25.2
AVDD_DISP on Top Layer "AVDD_DISP_T" (solid, pour order 12): 110.9,-27.2 111.3,-26.8 116.7,-26.8 117.1,-27.2 117.1,-36 117,-36.1 111.7,-36.1 110.9,-35.3
GNDA on Top Layer "Top Layer-AGND" (solid, pour order 8): 12,-47 13,-46 17,-46 20,-49 21,-49 22,-50 22,-51 28.1,-57.2 31,-60 36,-60 37,-59 38,-58 42,-58 43,-59 43,-66.2 32.8,-66.2 25,-74 11.8,-74 9.4,-71.6 9.4,-59.3 8,-58 2,-58 1,-57 0,-57 -1,-56 -1,-49 0,-48 1,-47 2,-47
GND on Bottom Layer "GND_bottom" (solid, remove dead copper, pour order 10): -1.6,3.9 -3.9,1.6 -3.9,-74.8 -1.8,-76.9 168.7,-76.9 170.8,-74.8 170.8,2.1 169,3.9
GNDA on Bottom Layer "BOTTOMLayer-AGND" (solid, pour order 9): 42.8,-59.1 42.3,-58.6 37.8,-58.6 36.15,-60.25 31.2,-60.25 16.975,-46.025 13.4,-46.025 12.363,-47.063 0.9,-47.063 -1.069,-49.031 -1.069,-56 0,-57 3.5,-57 8.1,-57 9.85,-58.75 9.85,-71.5 12.363,-74.013 24.9,-74.013 32,-67 37.7,-67 38,-66.6 42.7,-66.6 42.8,-66.5 42.8,-64.8

## Other copper
Top Layer:
  rectangle net GND: 1.8,-68.3 6.7,-64.6
  rectangle net NetC37_2: 104.5,-40.6 110.625,-26.2
  rectangle net NetC37_2: 105.2,-41.6 108.3,-40
  rectangle net GNDA: 1.3,-53.1 7.3,-48.9

## Silkscreen, mask and mechanical layers (free items; w line width, h text height)
Top Overlay:
  lines w0.1: 29.8,-26 31.05,-26 31.15,-26.1 ; 42.275,-76.075 42.65,-75.7 42.7,-75.7 ; 49.2,-74.3 49.2,-74.6 49.4,-74.8 49.4,-75.393 49.607,-75.6 51.625,-75.6 51.733,-75.493 ; 66.6,-67.15 66.65,-67.15 66.9,-66.9 ; 68.125,-67.175 68.125,-67.075 68.9,-66.3 68.9,-65.577 ; 87.7,-66.85 87.75,-66.85 88,-66.6 ; 87.9,-62.3 88,-62.2 ; 88.1,-62.3 88,-62.2 ; 91.525,-50.575 91.525,-48.25 91.85,-47.925 91.85,-47.775 ; 127.3,-36.15 127.3,-36.2 127.6,-36.5 127.6,-37.7 ; 130.775,-71.925 147.775,-71.925 ; 88,-66.6 88,-66.6 ; 88,-66.6 88,-62.2 ; 88,-66.6 88,-66.6
  lines w0.254: 16.8,-73.4 16.8,-50.8 ; 12.1,-70.9 11.1,-69.9 11.1,-70.3 11.1,-70.8 9.6,-70.8 9.6,-71.1 11.1,-71.1 11.1,-71.9 12.1,-70.9 ; 12.1,-70.9 12.1,-70.9 ; 12.1,-63.9 11.1,-64.9 11.1,-64.1 9.6,-64.1 9.6,-63.8 11.1,-63.8 11.1,-63.3 11.1,-62.9 12.1,-63.9 ; 12.1,-63.9 12.1,-63.9 ; 12.1,-56.4 11.1,-55.4 11.1,-55.8 11.1,-56.3 9.6,-56.3 9.6,-56.6 11.1,-56.6 11.1,-57.4 12.1,-56.4 ; 12.1,-56.4 12.1,-56.4 ; 12.1,-48.5 11.1,-49.5 11.1,-48.7 9.6,-48.7 9.6,-48.4 11.1,-48.4 11.1,-47.9 11.1,-47.5 12.1,-48.5 ; 12.1,-48.5 12.1,-48.5
  text "uSD CARD" at 12.65,-0.1 h0.9
  text "rep1" at 5.9,-0.3 h0.7
  text "2016" at 2.875,-10.5 h1
  text "ver. 2" at -3.175,-10.525 h0.9
  text "1" at 8.6,-49.3 h1.52
  text "2" at 8.1,-57.2 h1.52
  text "VIDEO" at 18.7,-63.3 h1.52 r90
  text "3" at 8.1,-64.7 h1.52
  text "4" at 8.1,-71.7 h1.52
  text "rep2" at 159,-74.6 h0.7
Mechanical 1:
  the board outline again, w0.1